# Altium PCB PCB3.PcbDoc (part 1 of 2) (continued)
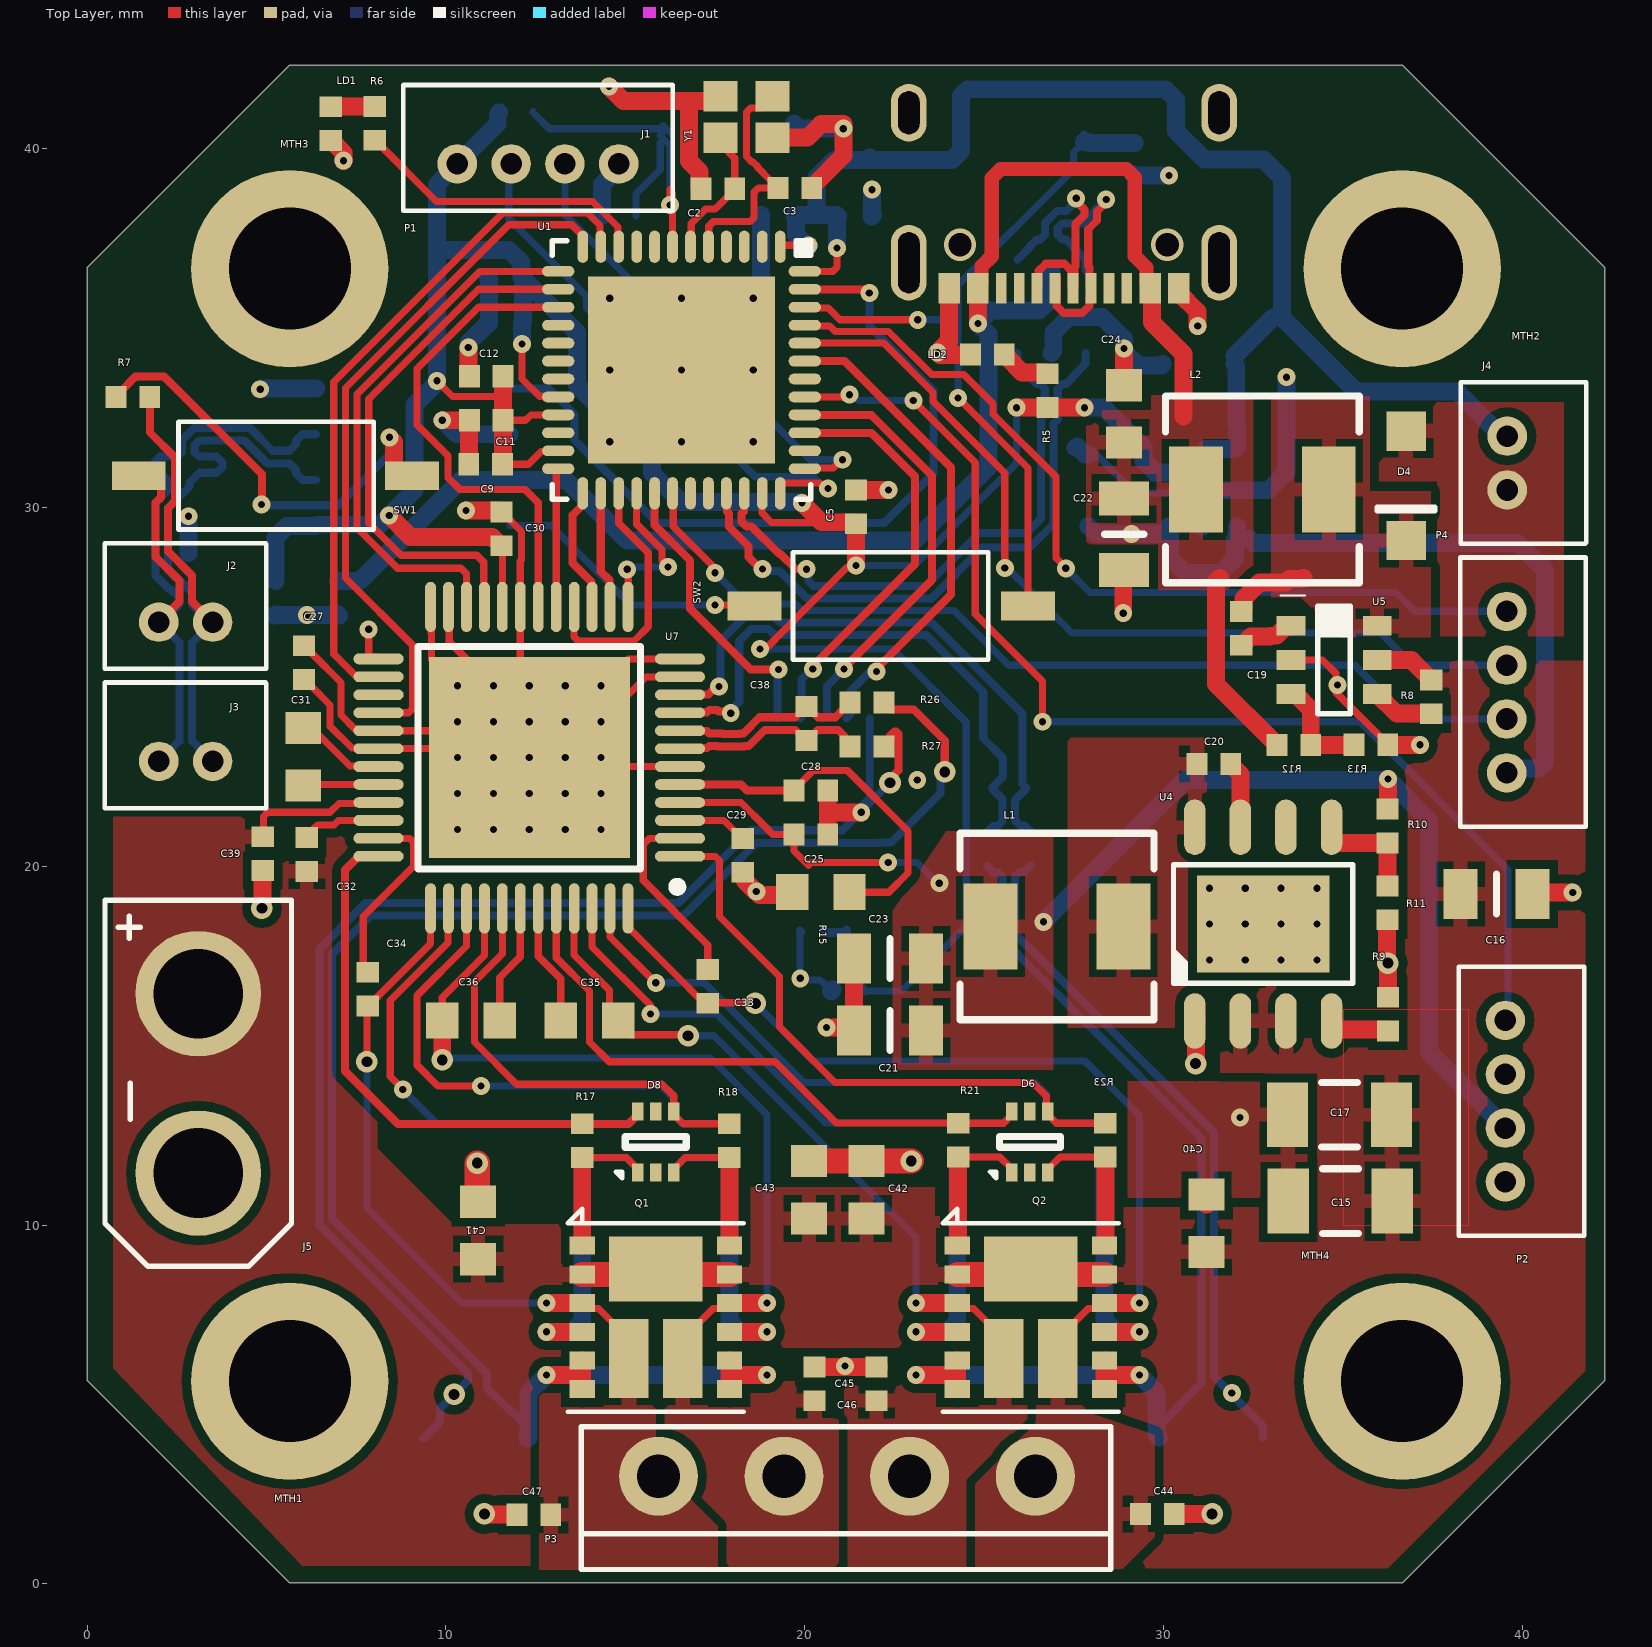
[diagram p0: Top Layer view]
## Design rules (kind name [scope] priority, off if disabled: settings)
AssemblyTestpoint [All] p1: testpointundercomponent=FALSE minsize=1.016 maxsize=2.54 preferedsize=1.524 minholesize=0 maxholesize=1.016 preferedholesize=0.813 testpointgrid=0.025 usegrid=TRUE gridtolerance=0 allowsidetop=TRUE allowsidebottom=TRUE
BoardOutlineClearance [All] p1: gap=0.2 ignorepadtopadclearanceinfootprint=FALSE
Clearance CAN_module [All] p1: gap=0.25 ignorepadtopadclearanceinfootprint=FALSE except(0.125: Arc-Arc Arc-Track Track-Track; 0.15: Arc-SMDPad Track-SMDPad; 0.17: SMDPad-SMDPad; 0.2: Arc-Via Arc-Text Arc-Hole Track-Via Track-Text Track-Hole SMDPad-THPad SMDPad-Via SMDPad-Text SMDPad-Hole THPad-Via THPad-Text THPad-Hole Via-Via Via-Text Via-Hole Fill-Text Fill-Hole Poly-Text Poly-Hole Region-Text Region-Hole Text-Text Text-Hole; 0.4: THPad-THPad)
DiffPairsRouting [All] p1: maxlimit=0.125 minlimit=0.125 mostfreqgap=0.125 toplayer_minwidth=0.225 toplayer_maxwidth=0.225 toplayer_prefwidth=0.225 bottomlayer_minwidth=0.225 bottomlayer_maxwidth=0.225 bottomlayer_prefwidth=0.225 impedanceprofiledriven=TRUE maxuncoupledlength=12.7
FabricationTestpoint [All] p1: side=3 testpointundercomponent=FALSE minsize=1.016 maxsize=2.54 preferedsize=1.524 minholesize=0 maxholesize=1.016 preferedholesize=0.813 testpointgrid=0.025 allowsidetop=TRUE allowsidebottom=TRUE usegrid=TRUE gridtolerance=0 boardedgeclearance=0.4 padholecenterclearance=0.3 viaholecenterclearance=0.3
HoleSize [All] p1: absolutevalues=TRUE maxlimit=6.5 minlimit=0.2 maxpercent=80.000 minpercent=20.000
HoleToHoleClearance [All] p1: gap=0.32 allowstackedmicrovias=TRUE
MinimumAnnularRing [All] p1: minimumring=0.09
MinimumSolderMaskSliver [All] p1: minsoldermaskwidth=0.04
PasteMaskExpansion [All] p1: expansion=0.05
PlaneClearance [All] p1: clearance=0.2
PlaneConnect [All] p1: planeconnectstyle=Direct reliefexpansion=0.508 reliefentries=4 reliefconductorwidth=0.4 reliefairgap=0.2
PolygonConnect PolygonConnect_1 [All] p1: thpad.connectstyle=Direct thpad.reliefconductorwidth=0.4 thpad.reliefentries=4 thpad.polygonreliefangle="90 Angle" thpad.airgapwidth=0.1 smdpad.connectstyle=Relief smdpad.reliefconductorwidth=0.4 smdpad.reliefentries=4 smdpad.polygonreliefangle="90 Angle" smdpad.airgapwidth=0.2 via.connectstyle=Direct via.reliefconductorwidth=0.254 via.reliefentries=4 via.polygonreliefangle="90 Angle" via.airgapwidth=0.254
RoutingVias [All] p1: holewidth=0.3 width=0.6 viastyle="Through Hole" minholewidth=0.2 minwidth=0.5 maxholewidth=0.6 maxwidth=1
SilkToSilkClearance [All] p1: silktosilkclearance=0.2
SilkToSolderMaskClearance [IsPad] p1: minsilkscreentomaskgap=0.15 clearancetoexposedcopper=TRUE
SolderMaskExpansion [All] p1: expansion=0.06 istentingtop=FALSE
Width [All] p1: maxlimit=0.7 minlimit=0.2 preferedwidth=0.5
19 further rules are at their usual default settings.

## Classes and differential pairs
component class Logic.~(138): C1 C2 C3 C4 C5 C6 C7 C8 C9 C10 C11 C12 C13 D2 D3 J1 J2 J3 J4 LD1 LD2 MTH1 MTH2 MTH3 MTH4 P1 P4 R1 R2 R5 R6 R7 S1 S2 SW1 SW2 U1 U2 Y1
component class Power_Supply: C14 C15 C16 C17 C18 C19 C20 C21 C22 C23 C24 D4 J5 L1 L2 P2 R8 R9 R10 R11 R12 R13 U3 U4 U5
component class Driver: C25 C26 C27 C28 C29 C30 C31 C32 C33 C34 C35 C36 C37 C38 C39 C40 C41 C42 C43 C44 C45 C46 C47 D5 D6 D7 D8 P3 Q1 Q2 R15 R16 R17 R18 R19 R20 R21 R22 R23 R24 R25 R26 R27 R28 R29 U6 U7
differential pair D2: +D2_P -D2_N
differential pair D: +D_P -D_N
differential pair CAN: +CAN_P -CAN_N

## Components (designator, comment, footprint, x,y, rotation, side; value= is the part's Value field where it differs from the comment)
C1 "100nF 16V X7R ±10%" 0402 14.825,38.125 r0 bottom
C2 "4pF 50V C0G (NP0) ±0.25 pF" 0402 17.581,38.875 r180 top
C3 "4pF 50V C0G (NP0) ±0.25 pF" 0402 19.725,38.9 r0 top
C4 "100nF 16V X7R ±10%" 0402 21.395,38.1 r180 bottom
C5 "100nF 16V X7R ±10%" 0402 21.431,30.013 r270 top
C6 "100nF 16V X7R ±10%" 0402 7,27.475 r90 bottom
C7 "100nF 16V X7R ±10%" 0402 19.25,38.15 r0 bottom
C8 "100nF 16V X7R ±10%" 0402 5.25,27.475 r90 bottom
C9 "100nF 16V X7R ±10%" 0402 11.109,31.2 r0 top
C10 "1 µF 16V X5R ±10%" 0402 11.675,36.4 r180 bottom
C11 "100nF 16V X7R ±10%" 0402 11.125,32.425 r0 top
C12 "1 µF 16V X5R ±10%" 0402 11.125,33.649 r180 top
C13 "100nF 16V X7R ±10%" 0402 11.675,35.175 r0 bottom
C14 "10 µF 16V X5R ±10%" 0805 27.9,30.475 r90 bottom
C15 "4,7 µF 100V X5R ±10%" 1206 34.925,10.669 r180 top
C16 "1 µF 100V X5R ±10%" 0805 39.275,19.225 r0 top
C17 "100 nF 100V X5R ±10%" 1206 34.9,13.075 r180 top
C18 "10 µF 16V X5R ±10%" 0805 30.975,33.989 r180 bottom
C19 "100nF 16V X7R ±10%" 0402 32.165,26.626 r270 top
C20 "100nF 16V X7R ±10%" 0402 31.4,22.85 r0 top
C21 "10 µF 16V X5R ±10%" 0805 22.374,15.421 r180 top
C22 "10 µF 16V X5R ±10%" 0805 28.9,29.25 r270 top
C23 "10 µF 16V X5R ±10%" 0805 22.374,17.425 r180 top
C24 "22 µF 10V X5R ±10%" 0603 28.9,32.604 r90 top
C25 "100 nF 100V X5R ±10%" 0402 20.171,20.886 r0 top
C26 "100nF 16V X7R ±10%" 0402 21.2,16.525 r0 bottom
C27 "470nF 50V ±10%" 0402 6.05,25.674 r90 top
C28 "2.2μF 16V X5R 20%" 0402 20.171,22.11 r180 top
C29 "2.2μF 16V X5R 20%" 0402 18.275,20.3 r90 top
C30 "100nF 16V X7R ±10%" 0402 11.55,29.399 r270 top
C31 "22 nF 100V X7R ±10%" 0603 6.025,23.05 r270 top
C32 "100 nF 100V X5R ±10%" 0402 6.125,20.325 r270 top
C33 "220 nF 25 X7R ±10%" 0402 17.3,16.651 r270 top
C34 "220 nF 25 X7R ±10%" 0402 7.825,16.575 r270 top
C35 "220 nF 25 X7R ±10%" 0603 14,15.7 r0 top
C36 "220 nF 25 X7R ±10%" 0603 10.7,15.7 r180 top
C37 "2.2 nF 100V X7R ±10%" 0402 25.7,22.175 r180 bottom
C38 "2.2 nF 100V X7R ±10%" 0402 20.05,23.975 r90 top
C39 "100 nF 100V X5R ±10%" 0402 4.9,20.35 r270 top
C40 "220 nF 100V X7S ±10%" 0603 31.193,10.05 r90 top
C41 "220 nF 100V X7S ±10%" 0603 10.9,9.85 r270 top
C42 "220 nF 100V X7S ±10%" 0603 21.721,10.982 r270 top
C43 "220 nF 100V X7S ±10%" 0603 20.116,10.982 r270 top
C44 "1 nF 100V X7R ±10%" 0402 29.825,1.95 r180 top
C45 "1 nF 100V X7R ±10%" 0402 20.275,5.575 r270 top
C46 "1 nF 100V X7R ±10%" 0402 22,5.575 r270 top
C47 "1 nF 100V X7R ±10%" 0402 12.455,1.925 r0 top
D2 "3.3" SOT23-6L 26.875,35.45 r90 bottom
D3 "VRWM=24V, VBR(Min)=26.2 V, VC=44 V" SOT-23 2.825,29.925 r270 bottom value="VRWM=24V, VBR(Min)=26.2 V, VC=44 V"
D4 "STPS0560Z 60 V" SOD-123FL 36.759,30.6 r90 top
D5 "BAT40V" SOT563-6 26.275,12.318 r90 bottom
D6 "BAT40V" SOT563-6 26.275,12.318 r90 top
D7 "BAT40V" SOT563-6 15.85,12.318 r90 bottom
D8 "BAT40V" SOT563-6 15.85,12.318 r90 top
J1 "USBC-U262-16XN-4BSS73-T" KH-TYPE-C-16P-T 22.9,37.315 r180 top
J2 "JST-1.5-2" "JST- 2 X - 1.5" 2.75,22.919 r0 top
J3 "JST-1.5-2" "JST- 2 X - 1.5" 2.75,26.8 r0 top
J4 "JST-1.5-2" "JST- 2 X - 1.5" 39.575,31.232 r270 top
J5 "XT30U" XT30U-M 3.1,13.948 r90 top locked
L1 "22uH 1.8 A ±20%" "SMD 5.4x5.2mm" 27.029,18.319 r180 top
L2 "22uH 1.8 A ±20%" "SMD 5.4x5.2mm" 32.754,30.5 r180 top
LD1 "SZYY0402G (Green) /" "0402 GREEN FLAT" 6.791,40.689 r270 top
LD2 "SML-P11UTT86R (Red) /" "0402 RED FLAT" 25.088,34.26 r180 top
MTH1 "MTH_M3" MTH 5.65,5.65 r0 top locked
MTH2 "MTH_M3" MTH 36.65,36.65 r0 top locked
MTH3 "MTH_M3" MTH 5.65,36.65 r0 top
MTH4 "MTH_M3" MTH 36.65,5.65 r0 top
P1 "JST-1.5-4x" "JST- 4X - 1.5" 12.568,39.568 r0 top
P2 "JST-1.5-4x" "JST- 4X - 1.5" 39.525,13.45 r270 top
P3 "15EDGRC-3.5-04P Dinkle" 15EDGRC-3.5-04P 15.925,3 r0 top locked
P4 "JST-1.5-4x" "JST- 4X - 1.5" 39.562,24.851 r270 top
Q1 "DMHT6016LFJ" "V-DFN5045-12 (Type B)" 15.85,7.425 r270 top
Q2 "DMHT6016LFJ" "V-DFN5045-12 (Type B)" 26.3,7.425 r270 top
R1 "10K 1/5W" 0402 11.956,41.025 r180 bottom
R2 "10K 1/5W" 0402 29.239,39.725 r270 bottom
R5 "1.5 kOhm 1/16W" 0402 26.762,33.25 r90 top
R6 "1.5 kOhm 1/16W" 0402 8.015,40.699 r270 top
R7 "120 Ohm 1/8 W" 0402 1.28,33.075 r180 top
R8 "100 kOhm 1/8 W" 0402 37.459,24.719 r90 top
R9 "25,5 kOhm 1/16 W" 0402 36.25,15.875 r270 top
R10 "100 kOhm 1/8 W" 0402 36.24,21.119 r90 top
R11 "9.09 kOhm 1/16 W" 0402 36.239,18.975 r90 top
R12 "54,9 kOhm 1/16 W" 0402 33.631,23.375 r180 top
R13 "10K 1/5W" 0402 35.775,23.382 r180 top
R15 "2.2 Ohm 1/10 W" 0603 20.45,19.275 r180 top
R16 "10 Ohm 1/16 W" 0402 24.275,12.368 r270 bottom
R17 "10 Ohm 1/16 W" 0402 13.8,12.35 r270 top
R18 "10 Ohm 1/16 W" 0402 17.9,12.35 r270 top
R19 "10 Ohm 1/16 W" 0402 17.9,12.35 r270 bottom
R20 "10 Ohm 1/16 W" 0402 13.8,12.35 r270 bottom
R21 "10 Ohm 1/16 W" 0402 24.275,12.368 r270 top
R22 "10 Ohm 1/16 W" 0402 28.375,12.368 r270 bottom
R23 "10 Ohm 1/16 W" 0402 28.375,12.368 r270 top
R24 "47 Ohm 1/16 W" 0402 25.075,20.475 r270 bottom
R25 "47 Ohm 1/16 W" 0402 26.299,20.491 r270 bottom
R26 "47 Ohm 1/16 W" 0402 21.735,24.559 r0 top
R27 "47 Ohm 1/16 W" 0402 21.735,23.334 r0 top
R28 "0.05 Ohm 1 W" 1206 31.321,4.079 r180 bottom
R29 "0.05 Ohm 1 W" 1206 10.825,4.05 r0 bottom
S1 "B3U3000P" B3U3000P 17.975,40.414 r0 bottom
S2 "B3U3000P" B3U3000P 26.075,40.4 r0 bottom locked
SW1 "Switch_DIP" "SMD 2.9x5.4mm" 5.25,30.881 r0 top
SW2 "Switch_DIP" "SMD 2.9x5.4mm" 22.414,27.25 r180 top
U1 "STM32G431CBU6" QFN-48-0.5-7x7_TP 16.566,33.825 r270 top locked
U2 "CAN_FD" SOIC-8 9.075,31.4 r180 bottom locked
U3 "LP5907MFX-3.3/NOPB" SOT23-5 31.09,30.725 r90 bottom
U4 "LMR38020" SOIC-8_TP 32.775,18.386 r90 top
U5 "LMR16006YDDCR" SOT-23-6 34.75,25.746 r0 top
U6 "AS5047P" TSSOP-14-0.65 21.163,21.17 r270 bottom locked
U7 "TMC5160" TQFP48-0.5-EP 12.324,23.025 r180 top locked
Y1 "48MHz 7pF ±10ppm" 2016 18.375,40.875 r180 top locked

## Footprints (in the part's own frame and the unit in brackets; to place one, negate y for a bottom-side part, rotate by r counter-clockwise, add the part's x,y. Pads: shape width x height; smd on the part's side, far side on the other; paste and mask are expansions set on the pad)
15EDGRC-3.5-04P [mm]
  round 2.2 hole 1.2: 1(0,0) 2(3.5,0) 3(7,0) 4(10.5,0)
  silkscreen extent -2.15,-2.6 12.6,1.38, body extent -2.15,-8 12.65,1.2, height 7.25
0402 [mm] "Chip Resistor, EIA 0402, Metric 1005, Body 1.0x0.5mm, IPC Medium Density"
  rect 0.58x0.62 smd: 1(-0.47,0) 2(0.47,0)
  body extent -0.52,-0.27 0.53,0.28, height 0.55
"0402 GREEN FLAT" [mm] "Chip Resistor, EIA 0402, Metric 1005, Body 1.0x0.5mm, IPC Medium Density"
  rect 0.58x0.62 smd: 1(-0.47,0) 2(0.47,0)
  body extent -0.5,-0.25 0.5,0.25, height 0.25
"0402 RED FLAT" [mm] "Chip Resistor, EIA 0402, Metric 1005, Body 1.0x0.5mm, IPC Medium Density"
  rect 0.58x0.62 smd: 1(-0.47,0) 2(0.47,0)
  body extent -0.5,-0.25 0.5,0.25, height 0.25
0603 [mm] "Chip Resistor, EIA 0603, Metric 1608, Body 1.6x0.8mm, IPC Medium Density"
  rect 0.9x1 smd: 1(-0.8,0) 2(0.8,0)
  body extent -0.87,-0.47 0.88,0.48, height 0.85
0805 [mm] "Chip Resistor, EIA 0805, Metric 2012, Body 2.0x1.2mm, IPC Medium Density"
  rect 0.95x1.4 smd: 1(-1,0) 2(1,0)
  silkscreen extent 0,-0.55 0,0.55, body extent -1.05,-0.67 1.05,0.68, height 1.1
1206 [mm] "Chip Resistor, EIA 1206, Metric 3216, Body 3.2x1.6mm, IPC Medium Density"
  rect 1.15x1.8 smd: 1(-1.45,0) 2(1.45,0)
  silkscreen extent -0.5,-0.9 0.5,0.9, body extent -1.7,-0.9 1.7,0.9, height 0.94
2016 [mm] "Crystal 2.0 x 1.6 mm"
  rect 0.95x0.85 smd: 1(-0.725,-0.575) 2(0.725,-0.575) 3(0.725,0.575) 4(-0.725,0.575)
  body extent -1.05,-0.85 1.05,0.85, height 0.56
B3U3000P [mm] "Ultra-small tactile switch"
  rect 0.8x1.7 smd: 1(-1.7,0) 2(1.7,0)
  silkscreen extent -1.5,-1.5 1.5,1.3, body extent -2,-1.95 2,1.25, height 1.2
"JST- 2 X - 1.5" [mm]
  round 1.1 hole 0.6: 1(-0.75,0) 2(0.75,0)
  silkscreen extent -2.25,-1.3 2.25,2.2, body extent -2.25,-1.3 2.25,2.2, height 4.5
"JST- 4X - 1.5" [mm]
  round 1.1 hole 0.6: 1(-2.25,0) 2(-0.75,0) 3(0.75,0) 4(2.25,0)
  silkscreen extent -3.75,-1.3 3.75,2.2, body extent -3.72,-1.3 3.78,2.2, height 4.5
KH-TYPE-C-16P-T [mm]
  oval 1x2.1 hole 0.6 slot 1.7 at 90 deg: 1(-8.65,0.5) 3(0,0.5)
  oval 1x1.6 hole 0.6 slot 1.2 at 90 deg: 2(-8.65,-3.68) 4(0,-3.68)
  rect 0.6x0.85 smd: A1B12(-7.525,1.215) A4B9(-6.725,1.215) A9B4(-1.925,1.215) A12B1(-1.125,1.215)
  rect 0.3x0.85 smd: A5(-5.575,1.215) A6(-4.575,1.215) A7(-4.075,1.215) A8(-3.075,1.215) B5(-2.575,1.215) B6(-3.575,1.215) B7(-5.075,1.215) B8(-6.075,1.215)
  body extent -8.82,-6.22 0.12,1.68, height 3.2
MTH [mm]
  round 5.5 hole 3.4: MTH(0,0)
QFN-48-0.5-7x7_TP [mm]
  round 0.5 / inner round 0.6 / far side round 0.6 hole 0.2: 0(-2,2) 0(-2,0) 0(-2,-2) 0(0,2) 0(0,0) 0(0,-2) 0(2,2) 0(2,0) 0(2,-2)
  rect 5.2x5.2 smd: 0(0,0)
  oval 0.9x0.3 smd: 1(-3.435,2.75) 2(-3.435,2.25) 3(-3.435,1.75) 4(-3.435,1.25) 5(-3.435,0.75) 6(-3.435,0.25) 7(-3.435,-0.25) 8(-3.435,-0.75) 9(-3.435,-1.25) 10(-3.435,-1.75) 11(-3.435,-2.25) 12(-3.435,-2.75) 25(3.435,-2.75) 26(3.435,-2.25) 27(3.435,-1.75) 28(3.435,-1.25) 29(3.435,-0.75) 30(3.435,-0.25) 31(3.435,0.25) 32(3.435,0.75) 33(3.435,1.25) 34(3.435,1.75) 35(3.435,2.25) 36(3.435,2.75)
  oval 0.3x0.9 smd: 13(-2.75,-3.435) 14(-2.25,-3.435) 15(-1.75,-3.435) 16(-1.25,-3.435) 17(-0.75,-3.435) 18(-0.25,-3.435) 19(0.25,-3.435) 20(0.75,-3.435) 21(1.25,-3.435) 22(1.75,-3.435) 23(2.25,-3.435) 24(2.75,-3.435) 37(2.75,3.435) 38(2.25,3.435) 39(1.75,3.435) 40(1.25,3.435) 41(0.75,3.435) 42(0.25,3.435) 43(-0.25,3.435) 44(-0.75,3.435) 45(-1.25,3.435) 46(-1.75,3.435) 47(-2.25,3.435) 48(-2.75,3.435)
  silkscreen extent -3.6,-3.6 3.6,3.6, body extent -3.51,-3.51 3.51,3.51, height 0.78
"SMD 2.9x5.4mm" [mm]
  rect 1.5x0.8 smd: 1(-3.81,0) 2(3.81,0)
  silkscreen extent -2.7,-1.5 2.74,1.5, body extent -4.2,-1.44 4.3,1.44, height 2.36
"SMD 5.4x5.2mm" [mm]
  rect 1.5x2.4 smd: 1(-1.85,0) 2(1.85,0)
  silkscreen extent -2.7,-2.6 2.7,2.6, body extent -2.8,-2.6 2.8,2.6, height 3.1
SOD-123FL [mm] "SODFL, 2-Leads, Body 1,65x3,60mm, IPC Medium Density"
  rect 1.1x1.1 smd: 1(-1.525,0) 2(1.525,0)
  silkscreen extent -0.7,-0.8 -0.6,0.8, body extent -1.8,-0.82 1.8,0.83, height 0.95
SOIC-8 [mm]
  oval 1.55x0.6 smd: 1(-2.7,1.905) 2(-2.7,0.635) 3(-2.7,-0.635) 4(-2.7,-1.905) 5(2.7,-1.905) 6(2.7,-0.635) 7(2.7,0.635) 8(2.7,1.905)
  silkscreen extent -1.65,-2.5 1.65,2.5, body extent -3.1,-2.5 3.1,2.5, height 1.75
SOIC-8_TP [mm]
  round 0.5 / inner round 0.6 / far side round 0.6 hole 0.2: 0(-1,1.5) 0(-1,-0.5) 0(-1,0.5) 0(-1,-1.5) 0(0,1.5) 0(0,0.5) 0(0,-0.5) 0(0,-1.5) 0(1,1.5) 0(1,-0.5) 0(1,0.5) 0(1,-1.5)
  rect 2.71x3.7 smd: 0(0,0)
  oval 1.55x0.6 smd: 1(-2.7,1.905) 2(-2.7,0.635) 3(-2.7,-0.635) 4(-2.7,-1.905) 5(2.7,-1.905) 6(2.7,-0.635) 7(2.7,0.635) 8(2.7,1.905)
  silkscreen extent -1.65,-2.5 1.65,2.5, body extent -3.1,-2.5 3.1,2.5, height 1.75
SOT23-5 [mm]
  rrect50% 1.21x0.59 smd: 1(-1.255,0.95) 2(-1.255,0) 3(-1.255,-0.95) 4(1.255,-0.95) 5(1.255,0.95)
  silkscreen extent -1.72,-1.45 0.8,1.83, body extent -1.4,-1.45 1.4,1.45, height 1.45
SOT23-6L [mm] "SOT23, 6-Leads, Body 2,93x2,80mm, Pitch 0,95mm, IPC Medium Density"
  rect 1.2x0.6 smd: 1(-1.15,0.95) 2(-1.15,0) 3(-1.15,-0.95) 4(1.15,-0.95) 5(1.15,0) 6(1.15,0.95)
  silkscreen extent -1.59,-1.55 0.25,1.84, body extent -1.6,-1.52 1.6,1.52, height 1.45
SOT563-6 [mm]
  rect 0.5x0.32 smd: 1(-0.85,0.5) 2(-0.85,0) 3(-0.85,-0.5) 4(0.85,-0.5) 5(0.85,0) 6(0.85,0.5)
  silkscreen extent -1.01,-0.85 0.15,1.11, body extent -0.63,-0.85 0.63,0.85, height 0.6
SOT-23 [mm]
  rect 0.8x0.55 smd: 1(-1.2,0.95) 2(-1.2,-0.95) 3(1.2,0)
  Top Layer pour cut-out: -1.6,1.225 -1.6,-1.225 0.8,-1.225 0.8,1.225
  silkscreen extent -0.3,-1.45 0.3,1.45, body extent -1.25,-1.5 1.25,1.5, height 1.2
SOT-23-6 [mm]
  rect 0.8x0.55 smd: 1(-1.2,0.95) 2(-1.2,0) 3(-1.2,-0.95) 4(1.2,-0.95) 5(1.2,0) 6(1.2,0.95)
  silkscreen extent -1.6,-1.5 1.6,1.8, body extent -1.4,-1.5 1.48,1.5, height 1.1
TQFP48-0.5-EP [mm]
  oval 1.4x0.3 smd: 1(-4.2,2.75) 2(-4.2,2.25) 3(-4.2,1.75) 4(-4.2,1.25) 5(-4.2,0.75) 6(-4.2,0.25) 7(-4.2,-0.25) 8(-4.2,-0.75) 9(-4.2,-1.25) 10(-4.2,-1.75) 11(-4.2,-2.25) 12(-4.2,-2.75) 25(4.2,-2.75) 26(4.2,-2.25) 27(4.2,-1.75) 28(4.2,-1.25) 29(4.2,-0.75) 30(4.2,-0.25) 31(4.2,0.25) 32(4.2,0.75) 33(4.2,1.25) 34(4.2,1.75) 35(4.2,2.25) 36(4.2,2.75)
  oval 0.3x1.4 smd: 13(-2.75,-4.2) 14(-2.25,-4.2) 15(-1.75,-4.2) 16(-1.25,-4.2) 17(-0.75,-4.2) 18(-0.25,-4.2) 19(0.25,-4.2) 20(0.75,-4.2) 21(1.25,-4.2) 22(1.75,-4.2) 23(2.25,-4.2) 24(2.75,-4.2) 37(2.75,4.2) 38(2.25,4.2) 39(1.75,4.2) 40(1.25,4.2) 41(0.75,4.2) 42(0.25,4.2) 43(-0.25,4.2) 44(-0.75,4.2) 45(-1.25,4.2) 46(-1.75,4.2) 47(-2.25,4.2) 48(-2.75,4.2)
  rect 5.6x5.6 smd: 49(0,0)
  silkscreen extent -4.25,-3.1 3.1,3.72, body extent -4.5,-4.5 4.5,4.5, height 1.15
TSSOP-14-0.65 [mm]
  rect 1.4x0.45 smd: 1(-2.95,1.95) 2(-2.95,1.3) 3(-2.95,0.65) 4(-2.95,0) 5(-2.95,-0.65) 6(-2.95,-1.3) 7(-2.95,-1.95) 8(2.95,-1.95) 9(2.95,-1.3) 10(2.95,-0.65) 11(2.95,0) 12(2.95,0.65) 13(2.95,1.3) 14(2.95,1.95)
  silkscreen extent -2.55,-2.55 1.85,2.96, body extent -3.2,-2.55 3.2,2.55, height 1.1
"V-DFN5045-12 (Type B)" [mm]
  rect 0.5x0.7 smd: 1(-2,-2.05) 2(-1.2,-2.05) 3(-0.4,-2.05) 4(0.4,-2.05) 5(1.2,-2.05) 6(2,-2.05) 7(2,2.05) 8(1.2,2.05) 9(0.4,2.05) 10(-0.4,2.05) 11(-1.2,2.05) 12(-2,2.05)
  rect 1.8x2.6 smd: 13(-1.35,0)
  rect 2.2x1.1 smd: 14(1.15,-0.75) 15(1.15,0.75)
  silkscreen extent -3.03,-2.45 2.63,2.45, body extent -2.52,-2.27 2.52,2.28, height 0.75
XT30U-M [mm]
  round 3.5 hole 2.5: 1(2.5,0) 2(-2.5,0)
  silkscreen extent -5.1,-2.6 5.1,2.6, body extent -5.14,-2.77 5.15,2.77, height 10.8

## Part data
C1 C4 C5 C6 C7 C8 C9 C11 C13 C19 C20 C26 C30: library part "Capacitor ceramic", "Ceramic capacitor", Capacitance=100nF, Dielectric=X7R, Manufacturer=Yageo, Tolerance=±10%, Voltage=16V, BOMString="100nF 16V ±10% 0402", Name=CC0402KRX7R7BB104
C2 C3: library part "Capacitor ceramic", "Ceramic capacitor", Capacitance=4pF, Dielectric="C0G (NP0)", Manufacturer=Murata, Tolerance="±0.25 pF", Voltage=50V, BOMString="4pF 50V ±0.25 pF 0402", Name=CC0402CRNPO9BN4R0
C10 C12: library part "Capacitor ceramic", "Ceramic capacitor", Capacitance="1 µF", Dielectric=X5R, Manufacturer=Yageo, Tolerance=±10%, Voltage=16V, BOMString="1 µF 16V ±10% 0402", Name=CC0402KRX5R7BB105
C14 C18 C21 C22 C23: library part "Capacitor ceramic", "Ceramic capacitor", Capacitance="10 µF", Dielectric=X5R, Manufacturer=MURATA, Tolerance=±10%, Voltage=16V, BOMString="10 µF 16V ±10% 0805", HQ Part=CA0134789, Name=GRM21BR61C106KE15L
C15: library part "Capacitor ceramic", "Ceramic capacitor", Capacitance="4,7 µF", Dielectric=X5R, Manufacturer="Taiyo Yuden", Tolerance=±10%, Voltage=100V, BOMString="4,7 µF 100V ±10% 1206", Name=HMK325BJ475KN-TE
C16: library part "Capacitor ceramic", "Ceramic capacitor", Capacitance="1 µF", Dielectric=X5R, Manufacturer=Yageo, Tolerance=±10%, Voltage=100V, BOMString="1 µF 100V ±10% 0805", Name=CC0805KKX7R0BB105
C17 C25 C32 C39: library part "Capacitor ceramic", "Ceramic capacitor", Capacitance="100 nF", Dielectric=X5R, Manufacturer=MURATA, Tolerance=±10%, Voltage=100V, Name=GRM155R62A104KE14D
  C17: BOMString="100 nF 100V ±10% 1206"
  C25 C32 C39: BOMString="100 nF 100V ±10% 0402"
C24: library part "Capacitor ceramic", "Ceramic capacitor", Capacitance="22 µF", Dielectric=X5R, Manufacturer=Yageo, Tolerance=±10%, Voltage=10V, BOMString="22 µF 10V ±10% 0603", Name=CC0603MRX5R6BB226
C27: library part Cap, "Capacitor", Capacitance=470nF, Manufacturer=Walsin, Tolerance=±10%, Voltage=50V, BOMString="470nF 50V ±10% 0402", Name=0402X474K500CT
C28 C29: library part "Capacitor ceramic", "Ceramic capacitor", Capacitance=2.2μF, Dielectric=X5R, Manufacturer=FH, Tolerance=20%, Voltage=16V, BOMString="2.2μF 16V 20% 0402", Name=0402X225M160NT
C31: library part "Capacitor ceramic", "Ceramic capacitor", Capacitance="22 nF", Dielectric=X7R, Manufacturer=Yageo, Tolerance=±10%, Voltage=100V, BOMString="22 nF 100V ±10% 0603", Name=CC0603KRX7R0BB223
C33 C34 C35 C36: library part "Capacitor ceramic", "Ceramic capacitor", Capacitance="220 nF", Dielectric=X7R, Manufacturer=CCTC, Tolerance=±10%, Voltage=25, Name=TCC0402X7R224K250AT
  C33 C34: BOMString="220 nF 25 ±10% 0402"
  C35 C36: BOMString="220 nF 25 ±10% 0603"
C37 C38: library part "Capacitor ceramic", "Ceramic capacitor", Capacitance="2.2 nF", Dielectric=X7R, Manufacturer=CCTC, Tolerance=±10%, Voltage=100V, BOMString="2.2 nF 100V ±10% 0402", Name=GRM155R72A222KA01D
C40 C41 C42 C43: library part "Capacitor ceramic", "Ceramic capacitor", Capacitance="220 nF", Dielectric=X7S, Manufacturer="Taiyo Yuden", Tolerance=±10%, Voltage=100V, BOMString="220 nF 100V ±10% 0603", Name=HMK107C7224KAHTE
C44 C45 C46 C47: library part "Capacitor ceramic", "Ceramic capacitor", Capacitance="1 nF", Dielectric=X7R, Manufacturer=Yageo, Tolerance=±10%, Voltage=100V, BOMString="1 nF 100V ±10% 0402", Name=CC0402KRX7R0BB102
D2: library part TWS_USB_sot23, "TWS", Manufacturer=ST, BOMString="USBLC6-2SC6 3.3", Name=USBLC6-2SC6, Price=0, Price10k=0
D3: library part ZenerDiodeDoubleCCBidir, "Zener Diode double CC", Manufacturer=ON, BOMString="ESD VRWM=24V, VBR(Min)=26.2 V, VC=44 V, IPP = 8A, Ppp = 350W, SOT23", Device=diode, HQ Part=CP0103362, Name=NUP2105LT1G, Price(1)=0, Price(100)=0, Supplier=supplier
D4: library part SchottkyDiode, "Schottky Diode", Manufacturer=ST, Voltage="60 V", BOMString="STPS0560Z  60 V 'SOD-123FL", Device=diode, HQ Part=DS0002882, Name=STPS0560Z, Price(1)=0, Price(100)=0, Supplier=supplier
L1 L2: library part "Inductance cored", "Inductor with iron core", Current="1.8 A", Inductance=22uH, Manufacturer=Sunltech, Resistance=265mΩ, Tolerance=±20%, BOMString="22uH ±20% SMD 5.4x5.2mm", Name=SLO0530H220MTT
LD1: library part "LED Green", "Green LED", Color=Green, Current="15 mA", Manufacturer=YONGYU, BOMString="SZYY0402G (Green) /  15 mA 0402 GREEN FLAT", Name=SZYY0402G
LD2: library part "LED Red", "Red LED", Color=Red, Current="20 mA", Manufacturer=ROHM, BOMString="SML-P11UTT86R (Red) /  20 mA 0402 RED FLAT", Name=SML-P11UTT86R
P3: library part TerminalBlock4, Manufacturer=Dinkle, HelpURL=https://static.chipdip.ru/lib/874/DOC000874642.pdf, Name=15EDGRC-3.5-04P, Supplier=https://www.chipdip.ru/product/ech381v-05p
R1 R2 R13: library part Resistor, "Thin Film Chip Resistor", Manufacturer=YAGEO, Power=1/5W, Resistance=10K, Tolerance=±1%, BOMString="10K ±1% 1/5W 0402", Name=SR0402FR-7T10KL
R5 R6: library part Resistor, "Thin Film Chip Resistor", Manufacturer=YAGEO, Power=1/16W, Resistance="1.5 kOhm", Tolerance=±1%, BOMString="1.5 kOhm ±1% 1/16W 0402", Name=AC0402FR-071K5L
R7: library part Resistor, "Thick Film Chip Resistor", Manufacturer=Yageo, Power="1/8 W", Resistance="120 Ohm", Tolerance=±1%, BOMString="120 Ohm ±1% 1/8 W 0402", HQ Part=RE0210070, Name=RC0402FR-7W120RL, Supplier 1="Future Electronics"
R8 R10: library part Resistor, "Thik Film Chip Resistor", Manufacturer=Yageo, Power="1/8 W", Resistance="100 kOhm", Tolerance=±1%, BOMString="100 kOhm ±1% 1/8 W 0402", Name=RC0402FR-7W100KL
  R10: HQ Part=RE0186870
R9: library part Resistor, "Thik Film Chip Resistor", Manufacturer=Yageo, Power="1/16 W", Resistance="25,5 kOhm", Tolerance=±1%, BOMString="25,5 kOhm ±1% 1/16 W 0402", Name=RC0402FR-0725K5L
R11: library part Resistor, "Thik Film Chip Resistor", Manufacturer=Ralec, Power="1/16 W", Resistance="9.09 kOhm", Tolerance=±1%, BOMString="9.09 kOhm ±1% 1/16 W 0402", Name=RTT029091FTH
R12: library part Resistor, "Thik Film Chip Resistor", Manufacturer=Yageo, Power="1/16 W", Resistance="54,9 kOhm", Tolerance=±1%, BOMString="54,9 kOhm ±1% 1/16 W 0402", HQ Part=RE0186870, Name=RC0402FR-0754K9L
R15: library part Resistor, "Thik Film Chip Resistor", Manufacturer=Uniohm, Power="1/10 W", Resistance="2.2 Ohm", Tolerance=±1%, BOMString="2.2 Ohm ±1% 1/10 W 0603", Name=0603WAF220KT5E
R16 R17 R18 R19 R20 R21 R22 R23: library part Resistor, "Thik Film Chip Resistor", Manufacturer=Yageo, Power="1/16 W", Resistance="10 Ohm", Tolerance=±1%, BOMString="10 Ohm ±1% 1/16 W 0402", Name=AC0402FR-0710RL
R24 R25 R26 R27: library part Resistor, "Thik Film Chip Resistor", Manufacturer=Yageo, Power="1/16 W", Resistance="47 Ohm", Tolerance=±1%, BOMString="47 Ohm ±1% 1/16 W 0402", Name=RC0402FR-0747RL
R28 R29: library part Resistor, "Thik Film Chip Resistor", Manufacturer=Panasonic, Power="1 W", Resistance="0.05 Ohm", Tolerance=±1%, BOMString="0.05 Ohm ±1% 1 W 1206", Name=ERJ-8CWFR050V
S1 S2: library part TactileButton2pin, "SMD Tactile switch", BOMString=B3U3000P, Datasheet=http://www.te.com/usa-en/product-1437566-3.html, Name=B3U3000P, Price(1)=0.218, Price(100)=0.1817, Supplier=http://www.compel.ru/infosheet/TE/1437566-3
U3: "\"Low-dropout regulator\""
Y1: library part "Crystal 4 pin", "Quartz crystal", Frequency="48MHz 7pF", Manufacturer="HD FREQUENCY", Tolerance=±10ppm, BOMString="48MHz 7pF ±10ppm 2016", HelpURL=http://geyer-electronic.de/uploads/tx_userartikelfrequenz/GEYER-KX-9A_01.pdf, Name=7D048000C01
U4: Name=LMR38020

## Via types
v1: diameter 0.5/0.5 (per signal layer), hole 0.2, Top Layer to Bottom Layer, 112 vias
v2: diameter 0.6/0.6 (per signal layer), hole 0.3, Top Layer to Bottom Layer, 14 vias
v3: diameter 0.9, hole 0.65, Top Layer to Bottom Layer, 2 vias
v4: diameter 0.5, hole 0.2, Top Layer to Bottom Layer, 1 vias

## Nets (pads, with @x,y where several pads share a name; then routed paths per layer and width w, separated by ;. In a path a pad name is that pad's centre, name@x,y a point inside that pad or via, vN(x,y) a via of type N, cw(c..) or ccw(c..) an arc to the next point about the centre after c; other vN are vias at no path point)
3.3V: C4.2 C5.2 C7.2 C8.2 C9.2 C10.1 C11.2 C12.1 C13.2 C18.1 C26.2 C30.2 J4.1 P1.1 R1.2 R5.1 S2.1 U1.1 U1.20 U1.21 U1.23 U1.35 U1.48 U2.5 U3.5 U6.11 U6.12 U7.20 | length 129.6
  Top Layer w0.2: v1(9.75,33.525) 10.186,33.089 11.543,33.089 11.595,33.037 11.633,33.075 ; C30.2@11.55,28.929 11.574,28.905 U7.20@11.574,27.225 ; C11.2@11.595,32.425 12.22,32.425 12.37,32.575 U1.21@13.131,32.575 ; C9.2@11.712,31.2 12.302,31.2 12.658,31.556 13.112,31.556 U1.23@13.131,31.575 ; v1@12.125,34.5 12.125,33.575 12.606,33.094 13.112,33.094 U1.20@13.131,33.075 ; v1(18.751,26.051) 18.735,26.051 18.675,25.991 18.787,26.103 18.953,26.103 19.45,26.6 19.457,26.6 19.604,26.746 19.604,26.754 21.168,28.318 21.368,28.318 v1(21.425,28.375) ; U1.35@18.816,30.39 18.81,30.384 18.81,29.847 19.078,29.58 20.467,29.58 ; U1.1@19.316,37.26 19.356,37.3 v1(20.1,37.3) 19.9,37.3 v1@19.86,37.26 ; U1.48@20.021,36.594 U1.48@20.001,36.575 20.783,36.575 20.9,36.692 v1(20.9,37.225) ; C5.2@21.393,29.58 C5.2@21.431,29.543
  Top Layer w0.5: v1(8.42,29.77) 9.016,29.175 11.284,29.175 11.49,28.969 11.51,28.969 C30.2@11.55,28.929 ; C9.2@11.579,31.2 11.587,31.208 11.587,32.417 C11.2@11.595,32.425 11.595,33.037 C12.1@11.595,33.649 C12.1@11.595,33.669 ; v1(19.925,30.125) 20.467,29.583 21.391,29.583 C5.2@21.393,29.58 ; v1(21.425,28.375) 21.431,28.381 C5.2@21.431,29.543 ; v1(25.9,32.775) 26.757,32.775 R5.1@26.762,32.78 ; R5.1@26.766,32.777 26.767,32.775 v1(27.8,32.775)
  Bottom Layer w0.2: P1.1@10.318,39.568 P1.1@10.49,39.74 ; R1.2@11.486,41.005 R1.2@11.486,41.025 ; v1(18.751,26.051) 22.46,26.051 24.501,24.011 24.501,18.33 22.697,16.525 C26.2@21.67,16.525 ; C7.2@19.72,38.15 C7.2@19.76,38.11 ; v1(21.425,28.375) 23.05,28.375 25.9,31.225 v1(25.9,32.775)
  Bottom Layer w0.25: U6.12@20.513,18.22 20.576,18.157 21.1,18.157 U6.11@21.163,18.22 21.163,17.145 21.505,16.803 21.505,16.69 C26.2@21.67,16.525
  Bottom Layer w0.5: C8.2@5.25,27.945 5.25,29.152 5.574,29.476 6.356,29.476 U2.5@6.375,29.495 6.394,29.514 8.164,29.514 v1(8.42,29.77) 9.125,30.475 9.125,32.85 9.75,33.475 v1(9.75,33.525) 9.75,37.175 ; P1.1@10.318,39.568 9.75,39 9.75,37.175 ; P1.1@10.49,39.74 11.446,40.696 11.446,40.965 R1.2@11.486,41.005 ; v1(12.125,34.549) 12.125,35.155 C13.2@12.145,35.175 C10.1@12.145,36.195 ; C10.1@12.145,36.4 12.145,36.38 13.65,34.875 13.65,33.4 14.178,32.872 14.651,32.872 15.75,31.773 15.75,30.95 16.55,30.15 19.9,30.15 v1(19.925,30.125) ; C10.1@12.15,36.355 12.105,36.4 12.105,36.824 11.754,37.175 9.75,37.175 ; C7.2@19.72,38.15 20.35,38.15 ; C7.2@19.76,38.11 19.76,37.59 20.05,37.3 v1(20.1,37.3) ; v1(20.9,37.225) 20.9,38.075 C4.2@20.925,38.1 ; C4.2@20.925,38.11 20.885,38.15 20.35,38.15 ; 21.8,39.75 21.875,39.675 ; v1(27.8,32.775) 28.341,32.775 29.445,31.671 29.445,31.296 29.766,30.975 30.514,30.975 31.164,31.625 31.995,31.625 32.04,31.67 32.04,32.29 32.025,32.305 32.025,33.939 C18.1@31.975,33.989 ; C18.1@31.975,34.214 33.05,35.289 33.3,35.289 ; J4.1@39.496,31.904 38.175,33.225 35.364,33.225 33.3,35.289 ; 20.35,38.15 20.327,38.173 20.327,39.192 20.81,39.675 21.875,39.675 ; 21.875,39.675 24.1,39.675 24.35,39.925 24.35,41.461 24.539,41.65 30.057,41.65 30.35,41.357 30.35,40.481 31.136,39.695 32.78,39.695 33.3,39.175 33.3,35.289
5V: C6.2 C14.1 C22.1 C24.1 D2.5 J1.A4B9 J1.A9B4 L2.2 P4.4 R12.2 U2.3 U3.1 U3.3 | length 71.2
  Top Layer w0.2: J1.A4B9@29.525,36.2 J1.A4B9@29.625,36.1
  Top Layer w0.4: J1.A9B4@24.825,36.1 24.925,36.2 24.925,36.713 25.208,36.996 25.208,39.174 25.459,39.425 28.966,39.425 29.2,39.191 29.2,37 29.525,36.675 J1.A4B9@29.525,36.2
  Top Layer w0.5: v1(24.825,35.125) J1.A9B4@24.825,36.1 ; J1.A4B9@29.625,36.1 29.675,36.05 29.675,35.15 30.55,34.275 30.55,32.525 ; 31.575,28.035 31.455,27.915 31.455,25.081 R12.2@33.161,23.375
  Bottom Layer w0.5: C6.2@7,27.945 7.605,27.945 10.425,30.765 U2.3@11.775,30.765 13.353,30.765 15.043,29.075 23.075,29.075 25.126,31.126 25.126,34.824 v1(24.825,35.125) 25.183,35.483 26.532,35.483 26.825,35.776 26.825,36.55 D2.5@26.875,36.6 ; C14.1@27.9,29.475 28.125,29.25 30.095,29.25 30.14,29.295 U3.3@30.14,29.47 30.185,29.425 30.185,28.59 30.6,28.175 31.175,28.175 ; 31.1,28.175 31.6,28.175 31.995,28.57 31.995,29.115 32.04,29.115 U3.1@32.04,29.47 ; U3.1@32.04,29.16 32.085,29.115 32.395,29.115 32.51,29 39.875,29 40.625,28.25 40.625,22.893 40.448,22.716 39.677,22.716 P4.4@39.562,22.601
  other v1: 29.11,29.25
5VOUT: C28.2 R15.1 U7.5 | length 10.4
  Top Layer w0.2: C28.2@19.701,22.11 19.701,22.13 20.241,22.67 21.183,22.67 22.875,20.978 22.875,19.809 22.341,19.275 R15.1@21.25,19.275
  Top Layer w0.225: U7.5@16.524,22.275 18.226,22.275 18.391,22.11 C28.2@19.701,22.11
12V: C21.1 C23.1 C25.1 L1.2 P2.3 R10.2 U7.4 | length 31.7
  Top Layer w0.2: U7.4@16.524,21.775 18.224,21.775 18.9,21.099 18.9,21.097 19.111,20.886 C25.1@19.701,20.886 19.701,20.426 20.102,20.025 20.177,20.1 v4(22.325,20.1)
  Top Layer w0.5: R10.2@36.24,21.589 36.25,21.599 v1(36.25,22.425)
  Bottom Layer w0.2: v4(22.325,20.1) 23.125,20.1 23.7,19.525 v1(23.75,19.525)
  Bottom Layer w0.5: v1(26.65,18.45) 30.6,22.4 36.225,22.4 v1(36.25,22.425) 37.4,21.275 37.4,14.825 P2.3@39.525,12.7
12VOUT: C29.2 U7.3 | length 2
  Top Layer w0.2: U7.3@16.524,21.275 17.75,21.275 18.255,20.77 C29.2@18.275,20.77
48V: C15.1 C16.1 C17.1 C32.2 C39.1 C40.1 C41.2 C42.2 C43.2 J5.1 Q1.2 Q1.11 Q1.13 Q2.2 Q2.11 Q2.13 R8.2 U4.2 U4.3 U5.5 U7.33 | length 14.4
  Top Layer w0.2: C39.1@4.918,20.758 4.918,21.383 5.035,21.5 6.773,21.5 7.023,21.75 7.479,21.75 7.484,21.756 8.105,21.756 U7.33@8.124,21.775
  Top Layer w0.5: U5.5@35.925,25.721 U5.5@35.95,25.746 36.903,25.746 37.399,25.249 37.399,25.229 37.439,25.189 R8.2@37.459,25.189
  Top Layer w0.7: Q1.2@13.8,8.625 Q1.13@15.7,8.625 ; Q1.13@15.85,8.775 Q1.13@15.7,8.625 ; Q1.11@17.9,8.625 Q1.13@15.7,8.625 ; Q2.2@24.25,8.625 Q2.13@26.15,8.625 ; Q2.13@26.3,8.775 Q2.13@26.15,8.625 ; Q2.11@28.35,8.625 Q2.13@26.15,8.625
A1: C35.2 C46.2 P3.3 Q2.3 Q2.14 U7.45 | length 19.7
  Top Layer w0.2: U7.45@13.574,18.825 13.574,17.526 14.55,16.55 14.558,16.55 14.558,15.942 C35.2@14.8,15.7 14.8,15.65 15.15,15.3 16.727,15.3 v2(16.751,15.276) ; Q2.3@24.25,7.825 24.4,7.675 24.7,7.675 25.55,6.825 Q2.14@25.55,6.275
  Top Layer w0.5: v1(23.1,7.825) Q2.3@24.25,7.825
  Bottom Layer w0.2: v2(16.751,15.276) 17.474,15.276 19.575,13.175 23.1,9.65 v1(23.1,7.825)
A2: C33.2 C44.2 P3.4 Q2.10 Q2.15 U7.48 | length 25.4
  Top Layer w0.2: U7.48@15.074,18.825 15.074,18.302 16.076,17.3 16.078,17.3 16.551,16.827 16.551,16.826 17.006,16.371 17.11,16.371 C33.2@17.3,16.181 17.312,16.193 18.607,16.193 v2(18.625,16.175) ; Q2.15@27.05,6.275 27.05,6.825 27.9,7.675 28.2,7.675 Q2.10@28.35,7.825
  Top Layer w0.5: Q2.10@28.35,7.825 v1(29.325,7.825)
  Bottom Layer w0.2: v2(18.625,16.175) 20.225,14.575 27.8,14.575 29.325,13.05 v1(29.325,7.825)
B1: C34.2 C47.2 P3.1 Q1.3 Q1.14 U7.37 | length 18.4
  Top Layer w0.2: v2(7.8,14.55) 7.8,16.08 C34.2@7.825,16.105 ; C34.2@7.845,16.105 8.1,16.36 8.1,16.366 9.574,17.841 U7.37@9.574,18.825 ; Q1.3@13.8,7.825 13.95,7.675 14.25,7.675 15.1,6.825 Q1.14@15.1,6.275
  Top Layer w0.5: v1(12.8,7.825) Q1.3@13.8,7.825
  Bottom Layer w0.2: v2(7.8,14.55) 7.8,10.475 10.45,7.825 v1(12.8,7.825)
B2: C36.2 C45.2 P3.2 Q1.10 Q1.15 U7.40 | length 23
  Top Layer w0.2: C36.2@9.9,15.7 9.9,16.34 11.074,17.515 U7.40@11.074,18.825 ; Q1.15@16.6,6.275 16.6,6.825 17.45,7.675 17.75,7.675 Q1.10@17.9,7.825
  Top Layer w0.5: v2(9.9,14.6) C36.2@9.9,15.7 ; Q1.10@17.9,7.825 v1(18.95,7.825)
  Bottom Layer w0.2: v2(9.9,14.6) 9.951,14.651 17.373,14.651 18.95,13.074 v1(18.95,7.825)
BUCK1_CB: C19.2 U5.1 | length 1.6
  Top Layer w0.5: C19.2@32.165,26.156 32.185,26.156 32.435,26.406 32.969,26.406 32.984,26.421 33.15,26.421 33.4,26.671 33.525,26.671 U5.1@33.55,26.696
BUCK1_FB: R12.1 R13.2 U5.3 | length 2.9
  Top Layer w0.5: U5.3@33.55,24.796 33.675,24.796 34.101,24.37 R12.1@34.101,23.375 34.104,23.378 35.302,23.378 R13.2@35.305,23.382
BUCK1_SHDN: R8.1 U5.4 | length 1.7
  Top Layer w0.5: U5.4@35.95,24.796 36.496,24.249 R8.1@37.459,24.249
BUCK1_SW: C19.1 D4.1 L2.1 U5.6 | length 2.4
  Top Layer w0.5: C19.1@32.165,27.096 32.185,27.096 32.225,27.136 32.225,27.45 32.675,27.9 33.4,27.9 33.5,28 33.875,28 33.9,28.025 ; U5.6@35.825,26.696 U5.6@35.95,26.696
BUCK2_BOOT: C20.2 U4.7 | length 1.9
  Top Layer w0.5: C20.2@31.87,22.85 31.87,22.83 32.14,22.56 U4.7@32.14,21.075
BUCK2_FB: R10.1 R11.2 U4.5 | length 3.6
  Top Layer w0.5: U4.5@34.638,21.436 U4.5@34.638,20.988 ; U4.5@34.684,20.942 U4.5@34.638,20.988 ; R10.1@36.22,20.649 34.726,20.649 34.638,20.737 U4.5@34.638,20.988 ; R11.2@36.239,19.445 R10.1@36.24,20.649
BUCK2_SW: C20.1 L1.1 U4.8
CA1: C36.1 U7.42 | length 3.4
  Top Layer w0.2: C36.1@11.537,15.663 C36.1@11.5,15.7 11.5,16.9 12.074,17.474 U7.42@12.074,18.825